# KiCad board ev17.kicad_pcb (continued)
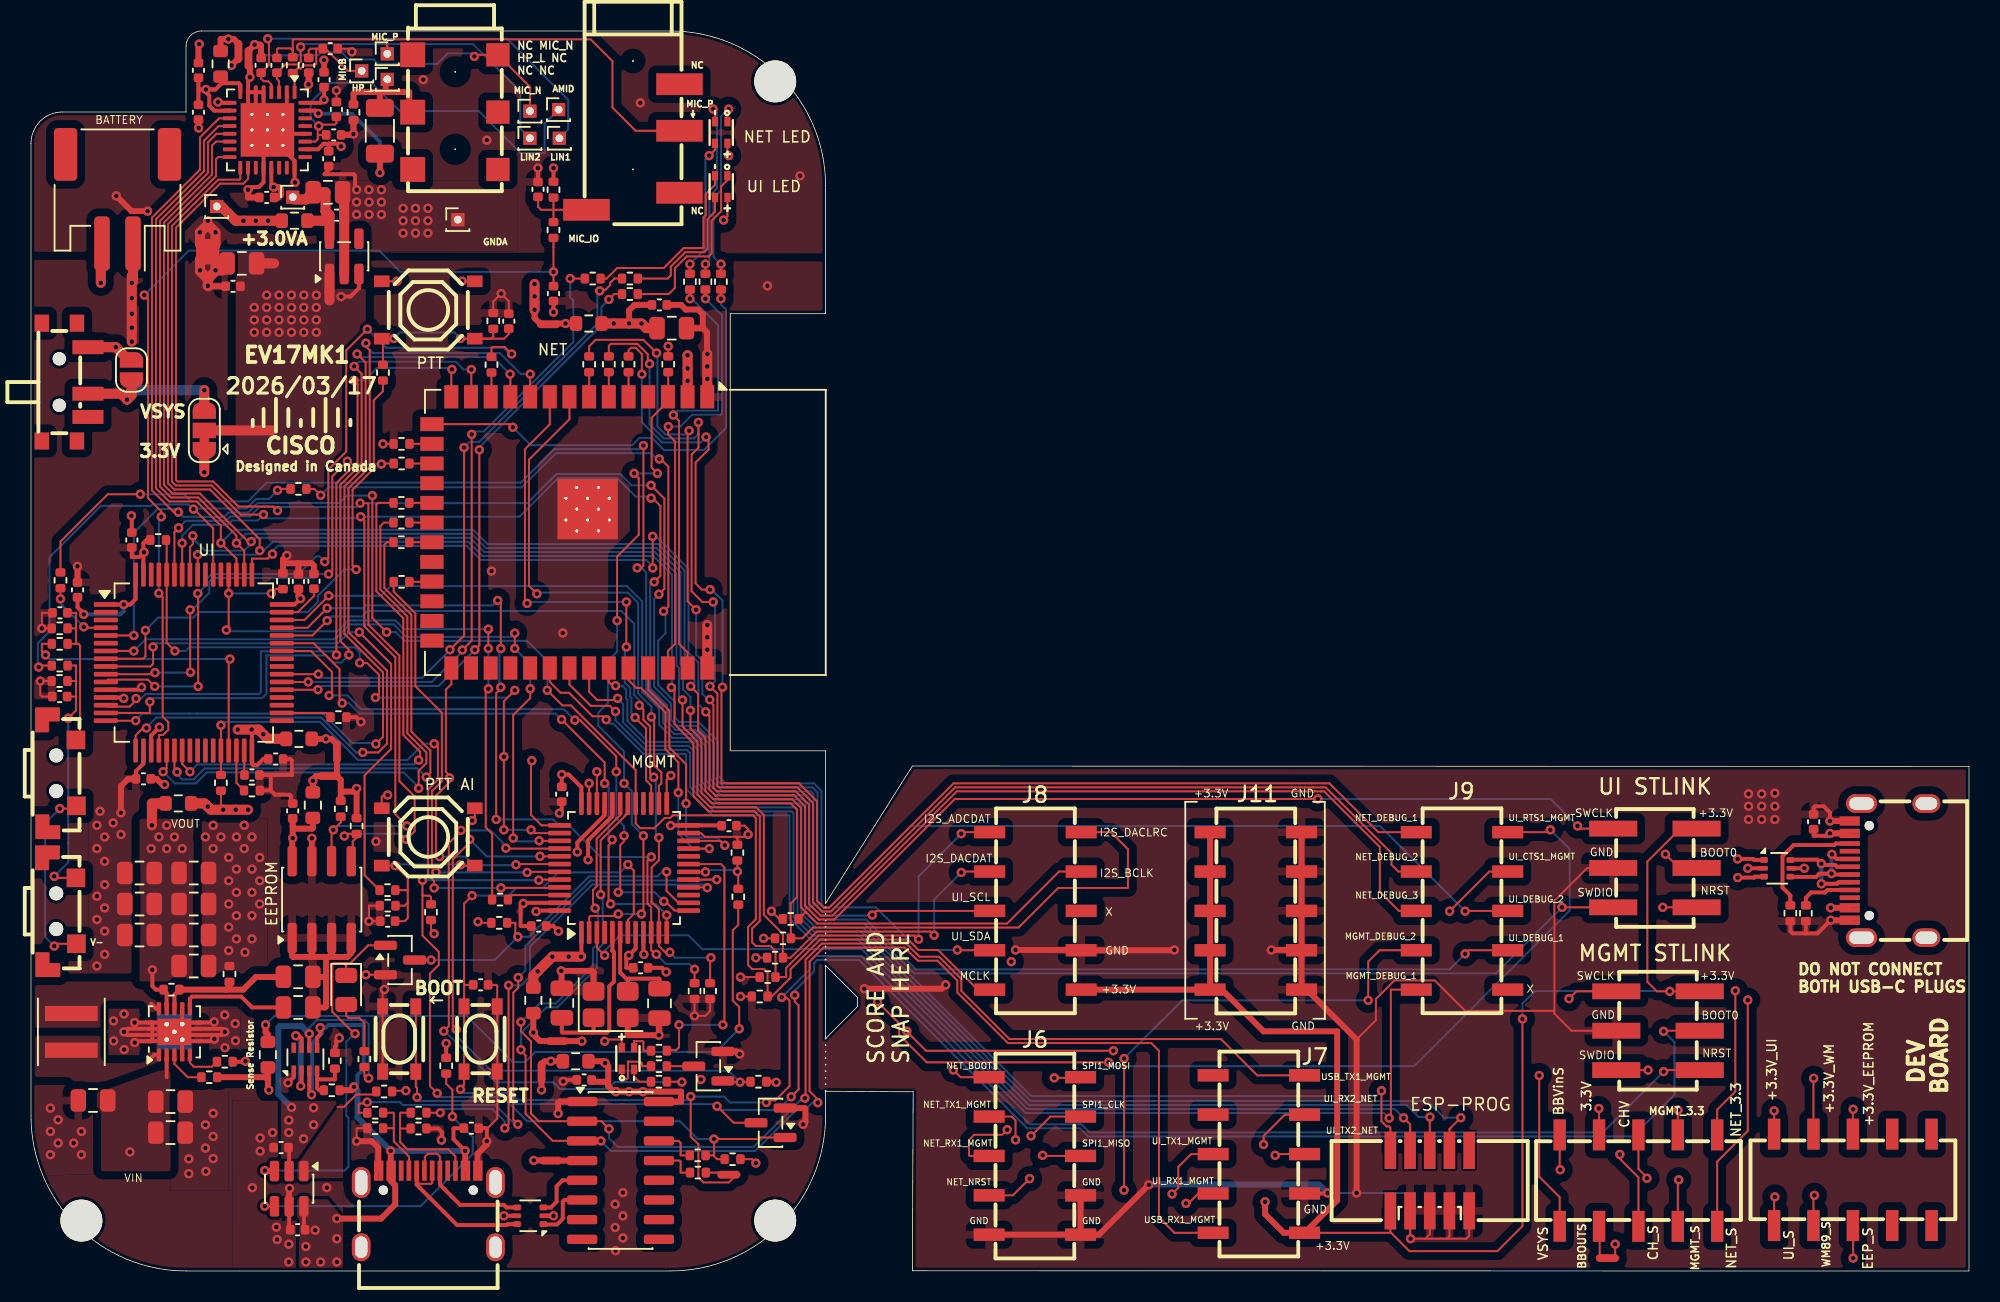
[diagram p0: board, top side]
## Routing (per net, layer and track width the routed paths; a pad name or vN(x,y) marks a point on that pad's centre or on a via; arc(x,y) is an arc through that point) (continued)
Net-(U1-TS): length 2.9
  Top w0.127: 19.78,10.58 20.18,10.58 20.98,11.39 22.07,11.39 R6.1
Net-(U3-PB7): length 28.4
  Top w0.127: U3.43 32.04,25.75 v1(32,25.71) ; R4.1 23.39,43.84 24.79,42.44 24.79,37.73 26.5,36.02 26.5,31.6 25.86,30.96 25.86,26 v1(26.12,25.74)
  Bottom w0.127: v1(32,25.71) 26.15,25.71 v1(26.12,25.74)
Net-(U3-PB9): length 3.5
  Top w0.127: 34.03,24.31 U3.46
  Top w0.13: U3.46 31.05,24.25 R5.1
Net-(U4-V3): length 1.5
  Top w0.381: U4.4 NT2.1
Net-(U5-EN): length 2.4
  Top w0.127: R18.2 10.11,12.5 9.25,13.36 U5.3
Net-(U5-FB): length 9
  Top w0.254: R26.1 9.25,17.83 U5.8
  Top w0.381: 12.6,18.15 R26.1 ; 12.6,18.15 12.8,18.35 R27.2 ; 12.6,18.15 13.69,18.15 14.5,18.96 16.26,18.96 C20.1
Net-(U5-L1): length 0.6
  Top w0.254: U5.1 7.95,13.95 7.75,13.75
Net-(U5-L2): length 0.6
  Top w0.254: U5.10 8.1,16.9 7.75,17.25
Net-(U5-PG): length 2.1
  Top w0.127: 11.74,13.25 11.66,13.18 10.5,13.18 10.25,13.43 U5.5
Net-(U5-VAUX): length 7.3
  Top w0.127: U5.6 U5.6
  Top w0.254: C19.1 14.26,17 13.56,17.71 10.39,17.71 10.25,17.57 U5.6
Net-(U6-HP_L): length 8.9
  Top w0.254: U6.31 18.34,74.87 v1(18.53,74.68)
  Top w0.381: C34.1 v1(22.5,70.86)
  Bottom w0.254: v1(18.53,74.68) 18.55,74.66 20.7,74.66 22.5,72.86 v1(22.5,70.86)
Net-(U7-IO11): length 1.5
  Top w0.13: R46.2 U7.19
Net-(U7-IO12): length 1.5
  Top w0.13: R44.2 U7.20
Net-(U7-IO13): length 1.5
  Top w0.13: R45.2 U7.21
Net-(U7-IO46): length 1.5
  Top w0.127: U7.16 24.42,53.37 R30.1
Net-(U9-PR1): length 3.5
  Top w0.254: R47.2 19.6,12.36 18.45,12.36 ; 18.45,12.36 U9.4 ; 18.45,12.36 18.45,11.81 18.6,11.66 R53.1
Net-(U10-PB11): length 2.8
  Top w0.127: R42.2 13.25,31.49 U10.30
Net-(U10-PB13): length 3.3
  Top w0.13: R43.2 19.05,36 U10.34
Net-(U10-PC2): length 30.7
  Top w0.127: v1(8,38.6) 7.9,38.5 U10.10 ; v1(20.41,52.24) 19.43,51.27 19.43,45.2 v1(19.2,44.96) ; R49.2 22.64,52.1 v1(22.6,52.06) ; v1(10.29,38.63) 10.26,38.66 v1(10.26,42.65)
  Bottom w0.127: v1(20.41,52.24) 20.59,52.06 v1(22.6,52.06) ; v1(10.29,38.63) 10.26,38.6 v1(8,38.6) ; v1(10.26,42.65) 10.44,42.83 10.57,42.83 11.5,43.76 11.5,44.46 11.75,44.71 18.25,44.71 18.5,44.96 v1(19.2,44.96)
Net-(U10-PC3): length 49.9
  Top w0.127: v1(10.76,43.71) 10.78,43.69 v1(10.78,37.72) ; v1(31,59.16) 30.55,59.62 29.75,59.62 29.7,59.56 R50.2 ; v1(21.69,60.76) 20.33,59.4 20.33,52.87 19.18,51.71 19.18,46 v1(18.94,45.76) ; U10.11 4.98,38.15 7.54,38.15 v1(7.98,37.72)
  Bottom w0.127: v1(31,59.16) 30.89,59.16 30.49,59.56 22.9,59.56 21.7,60.76 v1(21.69,60.76) ; v1(18.94,45.76) 18.59,46.11 18.4,46.11 17.26,44.97 11.64,44.97 11.24,44.57 11.24,44.2 v1(10.76,43.71) ; v1(7.98,37.72) v1(10.78,37.72)
Net-(U10-VCAP_1): length 1.6
  Top w0.127: C44.2 13.75,32.02 U10.31
Net-(U10-VCAP_2): length 3
  Top w0.127: U10.47 17.2,42.5 18.25,43.55 C45.2
unconnected-(U10-PB0-Pad26): length 0.7
  Top w0.127: U10.26 11.25,32.92
unconnected-(U10-PC4-Pad24): length 0
  Top w0.13: 10.26,33.57 U10.24

## Copper pours and planes (outline as drawn; the poured copper is in the pictures)
+3.0VA on In2.Cu: 0,80.75 0,65.75 51.28,65.75 51.28,80.75
+3.3V on In2.Cu: -10,66 51.3,65.61 51.1,-14.42 -10.02,-13.92
+3.3V_CH340C on In2.Cu: 33.88,12.18 42.08,12.13 42.08,0.8 33.88,0.85
+3.3V_Mgmt on In2.Cu: 32.38,32.23 43.63,32.18 43.63,19.28 32.38,19.28
+3.3V_Net on In2.Cu: 44.88,61.58 23.93,61.58 23.93,36.03 44.88,36.03
+3.3V_UI on In2.Cu: 3.68,32.53 21.28,32.46 21.18,50.37 3.68,50.51
GND on Top: 3.7,31.04 3.7,18.68 7.13,18.68 7.13,31.04
GND on Top: 12.75,11.68 12.75,5.18 9,5.18 9,11.68
GND on Top: 10.5,29.18 10.5,19.18 15.25,19.18 15.25,29.18
GND on Top: 8,16.18 8,14.68 7,14.68 7,13.93 5,13.93 5,16.93 7,16.93 7,16.18
GND on Top: 17.1,3.27 17.08,0.03 13.01,0.03 12.98,10.98 16.17,10.98 16.18,3.23 17.04,3.24
GND on Top: 4,12 4,6.25 0.9,6.15 0.2,8.4 0.25,12
GND on Top: 10.5,14.68 10.5,16.18 11.5,16.18 11.5,16.93 13.5,16.93 13.5,13.93 11.5,13.93 11.5,14.68
GND on Top, Bottom: 16.13,5.78 20.13,5.78 20.13,3.73 19.23,4.83 16.13,4.83
GND on Top, Bottom, In1.Cu, In3.Cu, In4.Cu: -9.67,-13.12 128.33,-12.24 128.43,33.73 51.25,32.88 51.25,65.9 -10,66
GND on Bottom: 16.13,10.98 12.98,10.98 13.01,0.03 17.08,0.03 17.08,4.83 16.13,4.83
GNDA on Top: 0,80.75 0,65.75 51.28,65.65 51.28,80.65
GNDA on Top: 19.5,67.56 19.5,70.36 31.4,70.36 31.4,65.76 22,65.76 22,67.56
GNDA on Bottom: 19.8,70.36 31.4,70.36 31.4,65.76 19.8,65.76
GNDA on Bottom, In3.Cu, In4.Cu: 0,80.93 51.3,80.61 51.3,65.61 0,65.96
GNDA on In1.Cu: 0,80.75 0,65.75 51.33,65.75 51.33,80.75
VBUS on Top, Bottom: 17.08,4.83 19.23,4.83 20.13,3.73 20.13,0.03 17.08,0.03
/BB_Vin_Sense on Top: 4.25,11.5 8.25,12.93 9,12.93 9,6.43 4.25,6.43
/BB_Vout on Top, In2.Cu: 10.5,29.18 7,29.18 7,18.68 10.5,18.68
/BQ_OUT on Top: 16.13,7.23 16.13,10.98 19.83,10.98 17.18,7.23
/BQ_OUT on Bottom: 16.13,7.23 16.13,10.98 20.13,10.98 20.13,7.23
/VAIN on Top, Bottom: 13.2,65.76 13.2,50.36 21.6,50.36 21.6,63.36 19.6,63.36 19.6,65.76
Net-(U1-TS) on Top: 17.18,5.78 20.13,5.78 20.13,10.98 19.83,10.98 17.18,7.23
Net-(U5-L1) on Top: 8.5,14.43 8.5,13.3 6.25,12.18 0.25,12.18 0.25,15.18 5,15.18 5,13.93 7,13.93 7,14.43
Net-(U5-L2) on Top: 8.5,16.43 8.5,17.68 6.5,18.68 0.25,18.68 0.25,15.68 5,15.68 5,16.93 7,16.93 7,16.43

## Text on the board
F.Fab: TOP      (F.CU)    HIGH SPEED / SECOND  (IN1.CU)  GND / THIRD    (IN2.CU)  POWER / BOTTOM  (B.CU)    LOW SPEED
F.Silkscreen: NET_TX1_MGMT | NET_RX1_MGMT | NET_BOOT | NET_NRST | GND | SPI1_MOSI | SPI1_CLK | SPI1_MISO | USB_RX1_MGMT | UI_TX1_MGMT | UI_RX1_MGMT | USB_TX1_MGMT | UI_RX2_NET | UI_TX2_NET | MGMT_DEBUG_2 | MGMT_DEBUG_1 | NET_DEBUG_1 | NET_DEBUG_2 | NET_DEBUG_3 | UI_RTS1_MGMT | UI_CTS1_MGMT | UI_DEBUG_2 | UI_DEBUG_1 | HP_L | MIC_P | GNDA | MIC_N | LIN2 | LIN1 | AMID | MIC_IO | NC | V- | Sense Resistor | MICB | BATTERY | VIN | VOUT | I2S_ADCDAT | I2S_DACDAT | UI_SDA | UI_SCL | MCLK | I2S_DACLRC | I2S_BCLK | +3.3V | X | SWCLK | SWDIO | BOOT0 | NRST | NC MIC_N / HP_L NC / NC NC | MGMT_3.3 | BBOUTS | MGMT_S | WM89_S | VSYS | BBVinS | 3.3V | CHV | CH_S | NET_S | NET_3.3 | +3.3V_UI | UI_S | +3.3V_WM | EEP_S | +3.3V_EEPROM | Designed in Canada | UI | PTT | PTT AI | NET | NET LED | UI LED | MGMT | EEPROM | DO NOT CONNECT / BOTH USB-C PLUGS | ESP-PROG | +3.0VA | BOOT | RESET | UI STLINK | MGMT STLINK | SCORE AND / SNAP HERE | 2026/03/17 | EV17MK1 | CISCO | DEV | BOARD
